# Altium PCB SOM Board with RK3399.PcbDoc (part 3 of 5)
Units mil, origin at the board's own origin, x right, y up, seen from the top; angles counter-clockwise.
Board outline 2740.16 x 1968.5 mil, 12 copper layers (Top Layer, GND-1, PWR-1, PWR-2, GND-2, L1, GND-3, L2, GND-4, L3, GND-5, Bottom Layer), stack 70.898 mil thick; 567 components, 532 nets, 5770 pads, 0 vias.
Unrouted connection lines stored in the file: 2231.
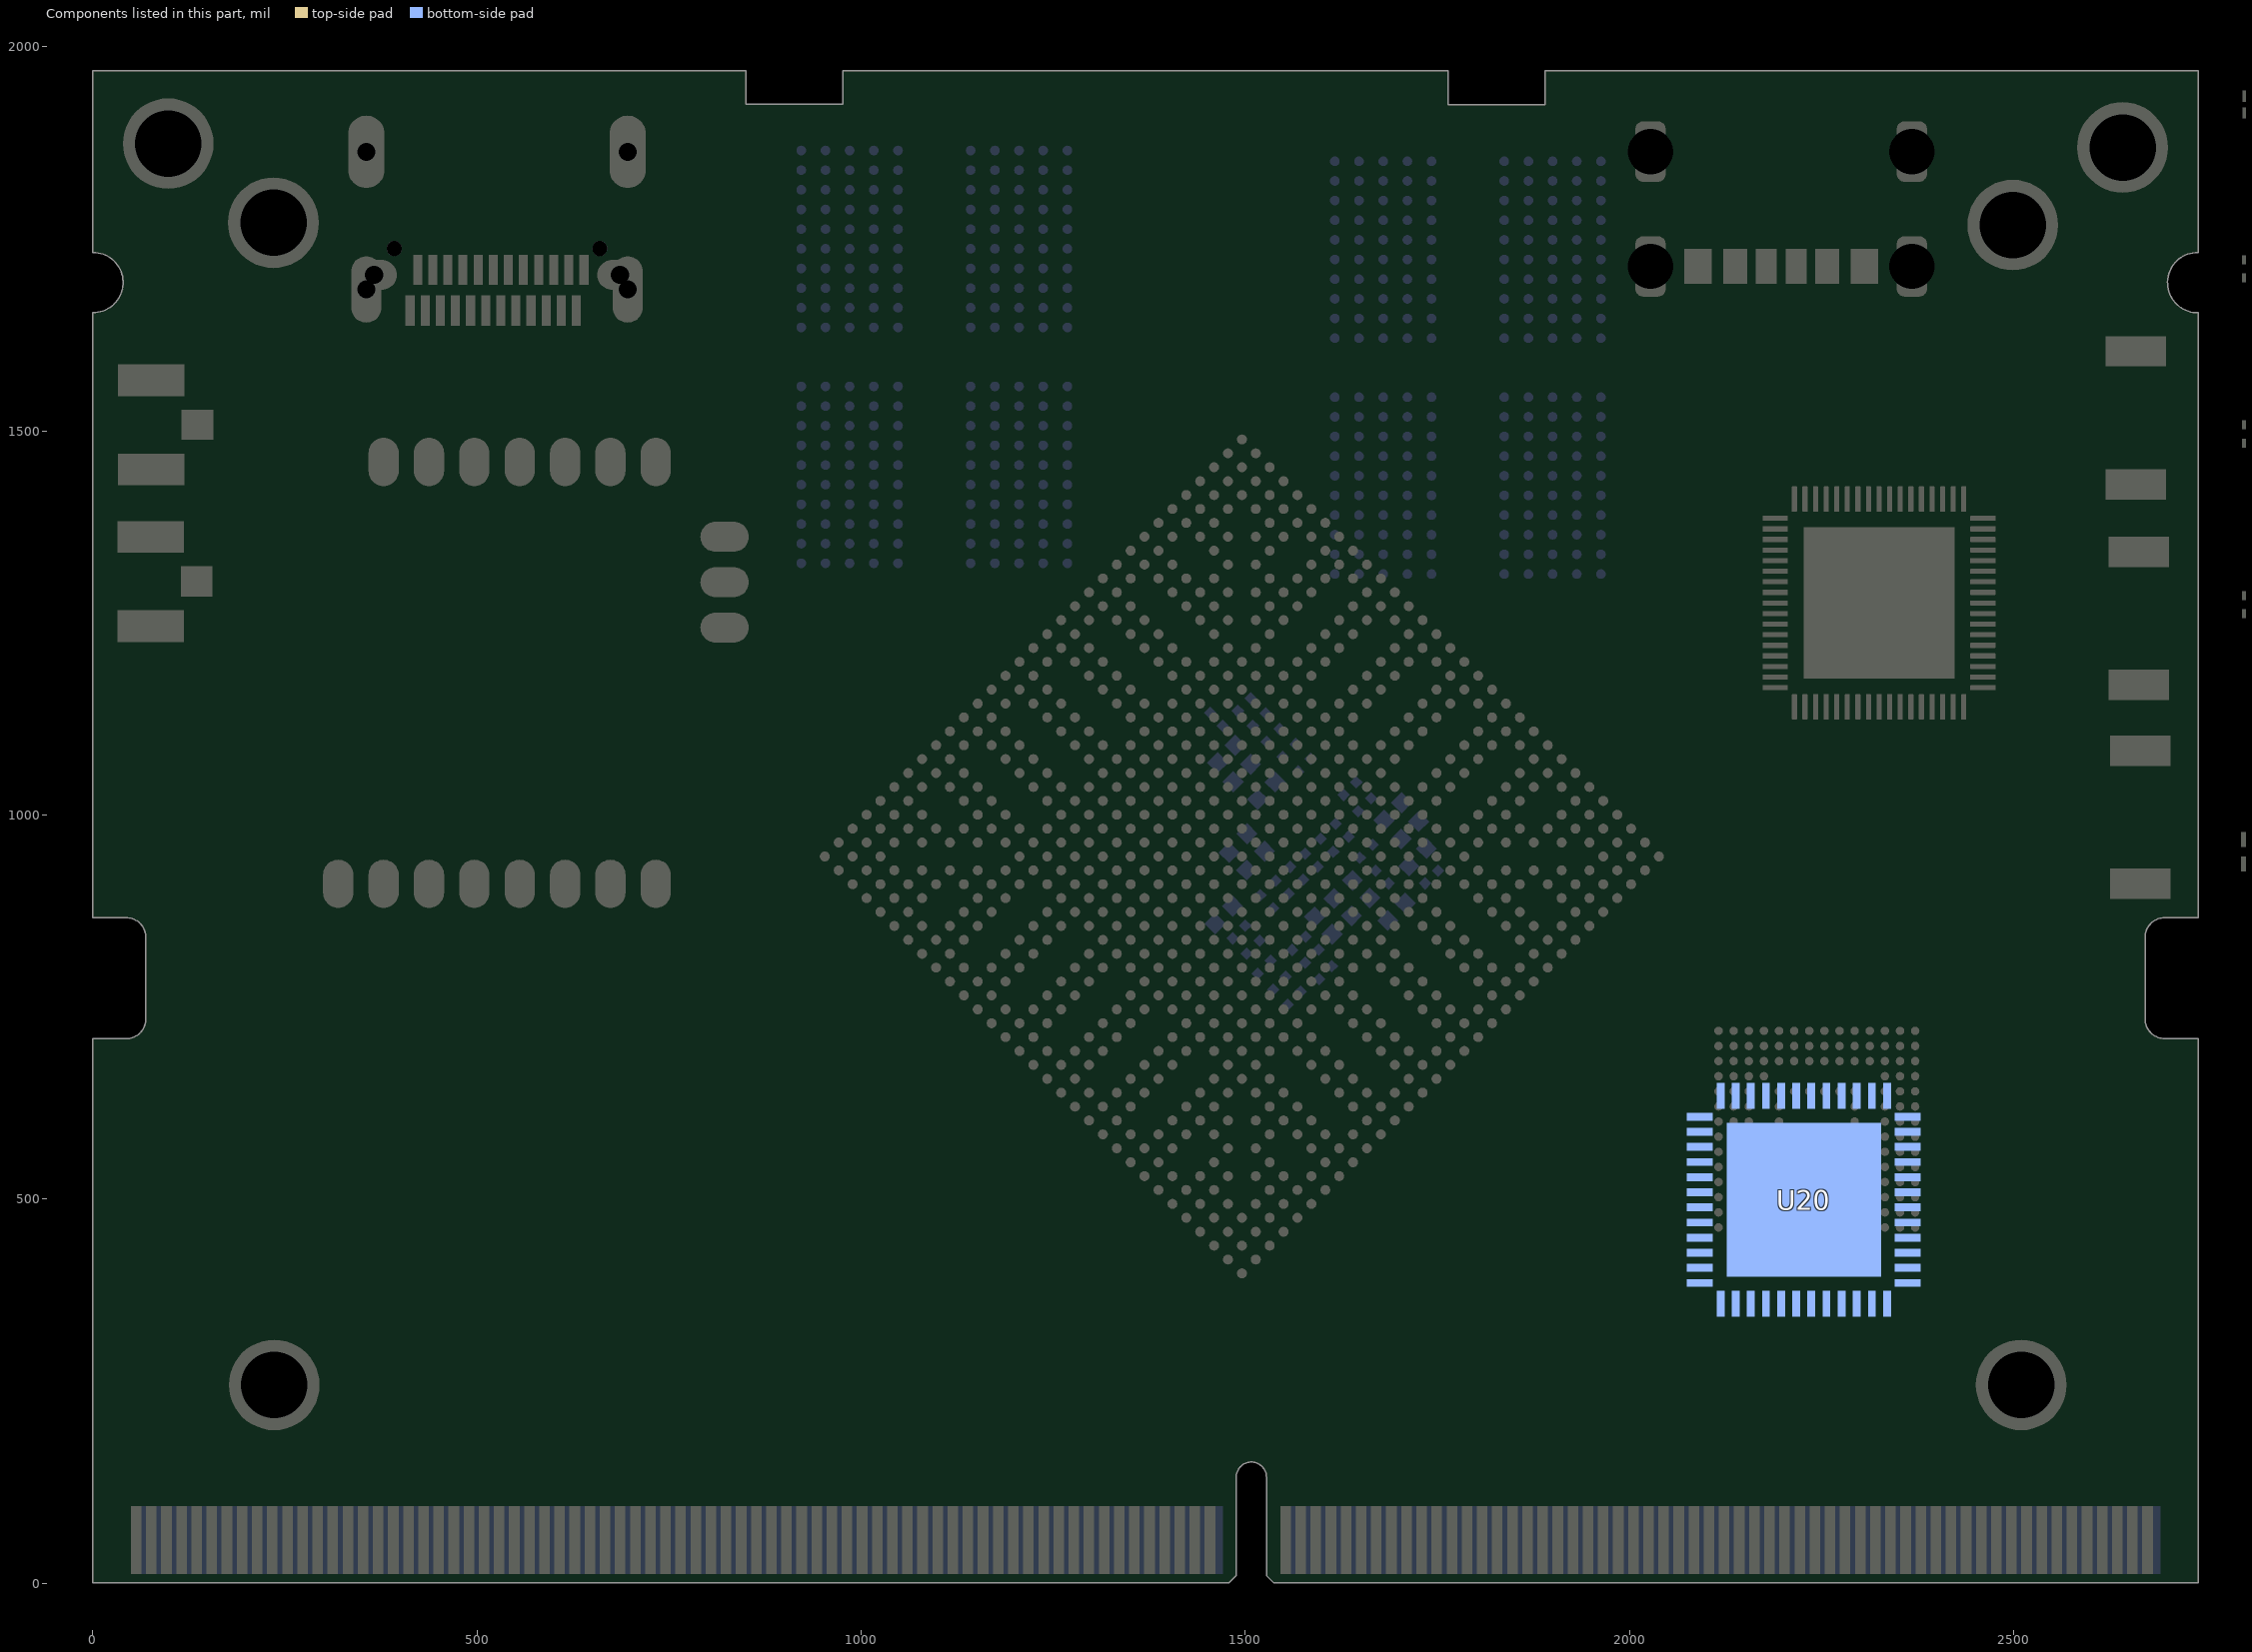
[diagram p10: the components of this part, seen from the top]

## Part data (continued)
U18: library part REG_3.3V-5.5V-300mA-SC-70-5, "SC-70-5 Dropout Regulators(LDO) RoHS", Case/Package=SC-70-5, Manufacturer="Richtek Tech", Manufacturer Part Number=RT9193-33PU5, Supplier-1=LCSC
U19: library part REG_0.6~5V-5.5V-3A-TSOT-23-8, "Switching Voltage Regulators 3A, 5.5V, 1.2MHz Sync Stp-Dwn Swtchr", Case/Package=TSOT-23-8, Manufacturer="Monolithic Power Systems (MPS)", Manufacturer Part Number=MP2143DJ-LF-Z, Supplier-1=Mouser
U20: library part IC_RTL8211E-VB-CG, "Ethernet Transceivers 10/100/1000 Base-T PHY GMII, MII, RGMII 1.43V ~ 3.63V QFN-48_6x6x04P Ethernet ICs RoHS", Case/Package=QFN-48, Manufacturer="Realtek Semicon", Manufacturer Part Number=RTL8211E-VB-CG, Supplier-1=LCSC
Y1: library part XTAL_ECS-327MVATX-2-CN-TR, "32.768kHz XO (Standard) CMOS Oscillator 1.6V ~ 3.6V Enable/Disable 4-SMD, No Lead", Alternate Part Number-1=NA, Case/Package=SMD-4, Manufacturer="ECS INC", Nymble Part Number=1EA-AA-0561, Category=Crystal, Manufacturer Part Number=ECS-327MVATX-3-CN-TR, Number of Pins=4, Supplier Part Number-1=ECS-327MVATX-3-CN-TR, Supplier-1=Digikey
Y2 Y4: library part XTAL_24Mhz-12pF-4-SMD, "24MHz ±20ppm Crystal 12pF 50 Ohms 4-SMD, No Lead", Case/Package=SMD, Manufacturer="Abracon LLC", Manufacturer Part Number=ABM8AIG-24.000MHZ-12-2Z-T3, Supplier-1=Digikey
Y3: library part XTAL_32.768Khz-22pF-SMD, "32.768kHz ±20ppm Crystal 12pF 80 kOhms 2-SMD, No Lead", Case/Package=0603, Manufacturer=Ecliptek, Manufacturer Part Number=ECS-.327-6-34RR-TR, Supplier-1=Digikey